# Altium PCB PCB.PcbDoc (part 1 of 3)
Units mm, origin at the board's own origin, x right, y up, seen from the top; angles counter-clockwise.
Board outline 138 x 80 mm, 4 copper layers (Top Layer, Signal Layer 1, Signal Layer 2, Bottom Layer), stack 1.605 mm thick; 288 components, 216 nets, 805 pads, 268 vias.
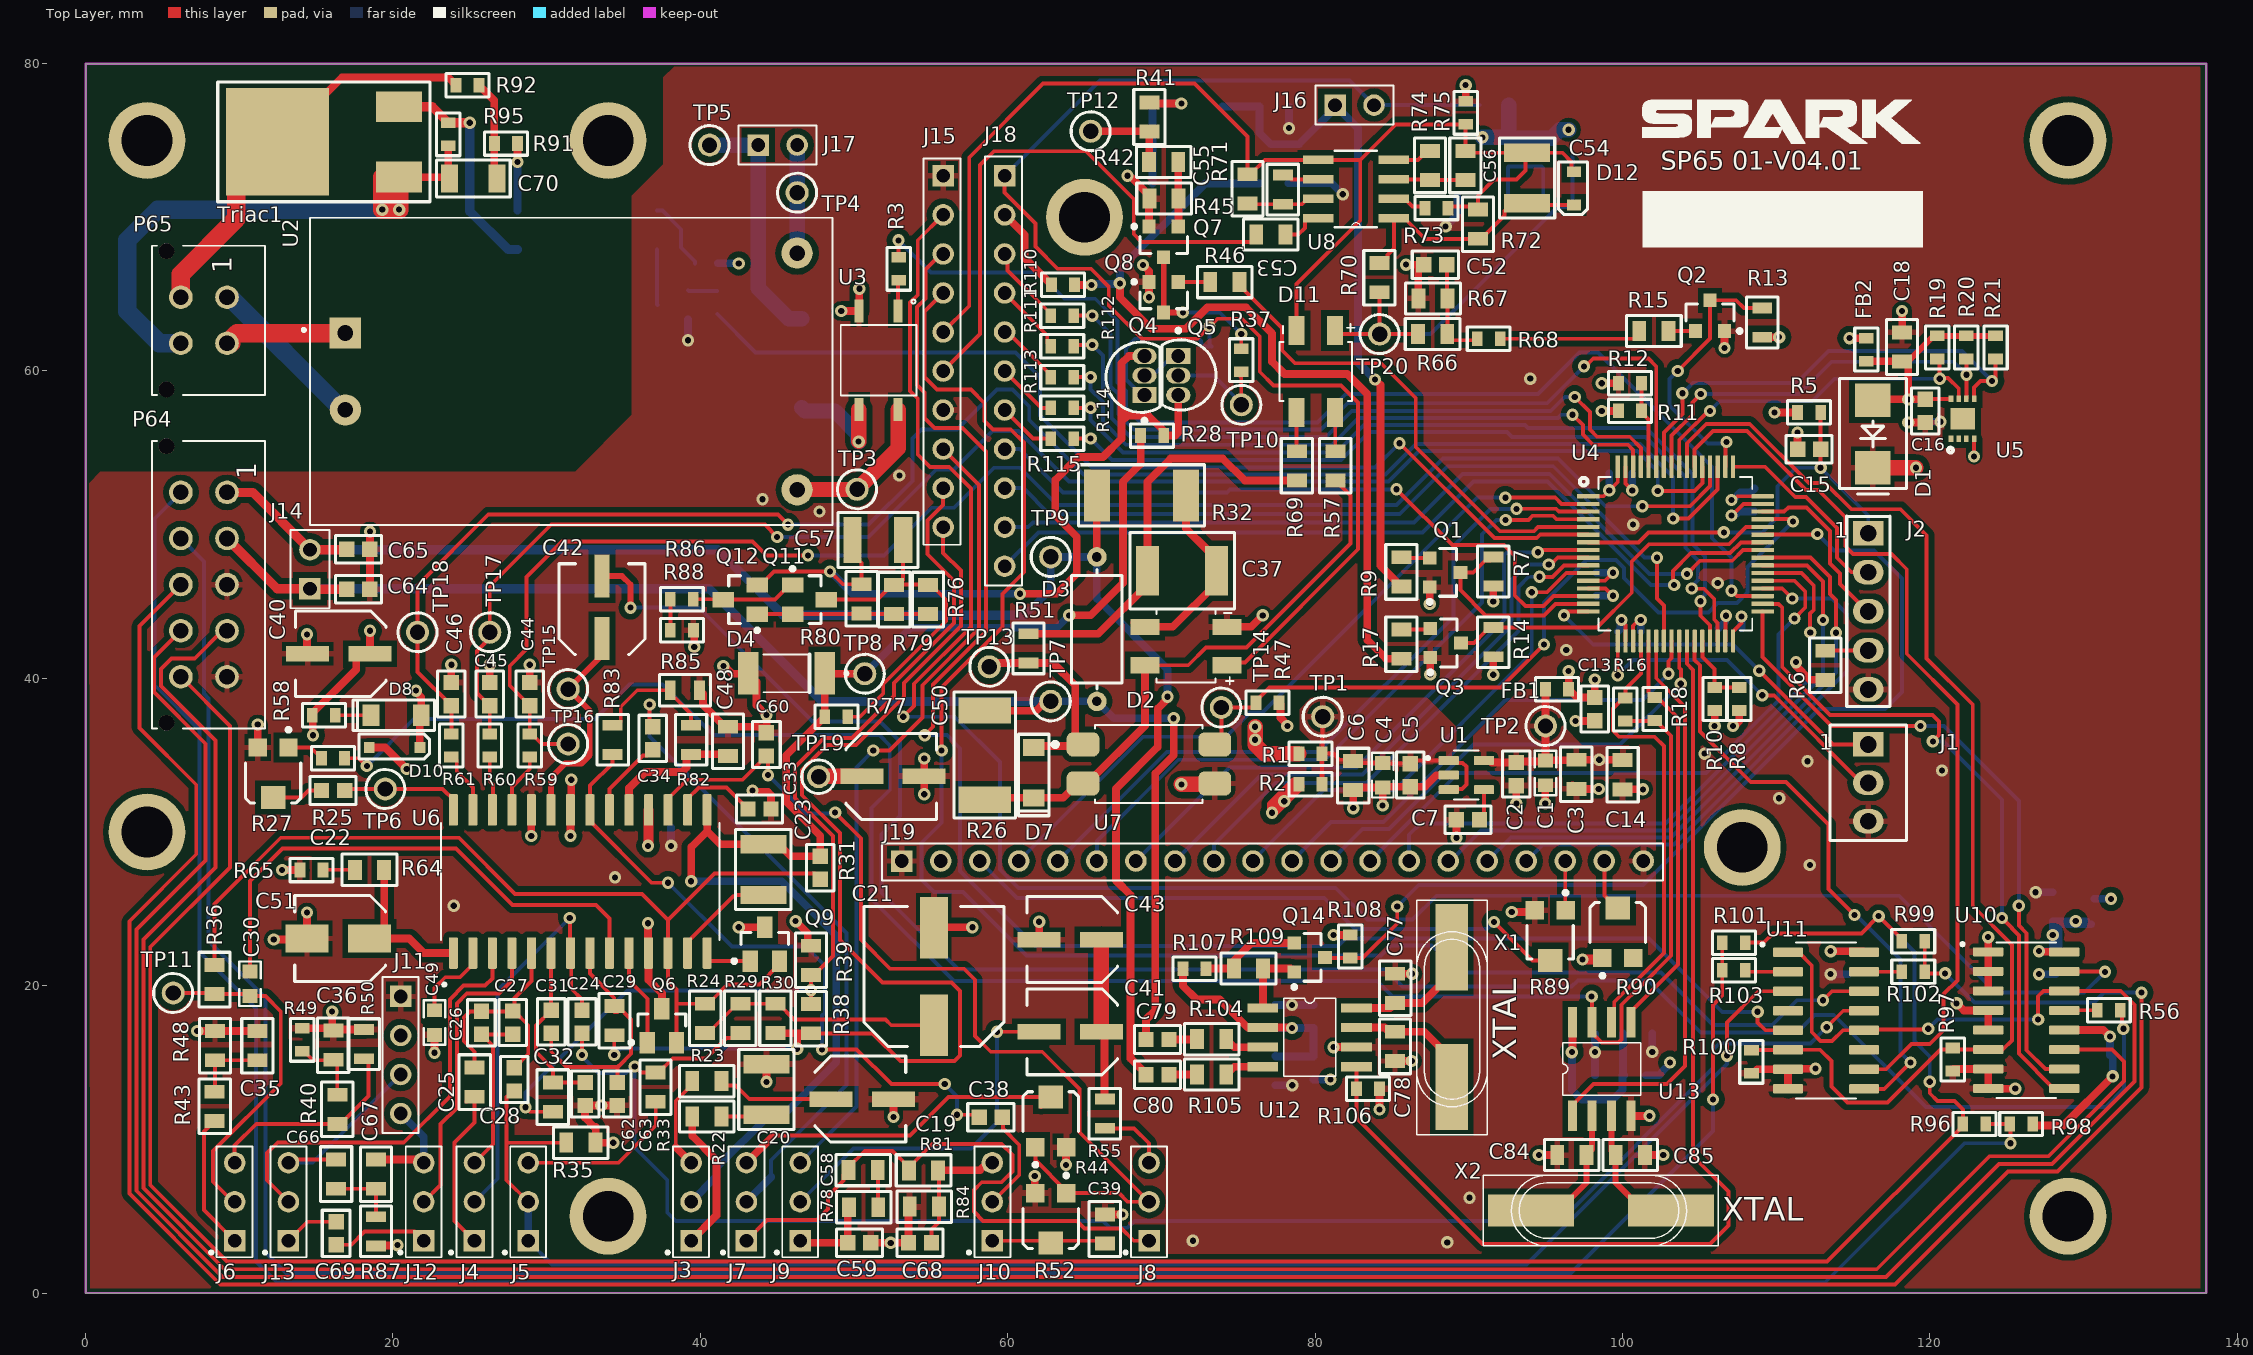
[diagram p0: Top Layer view]
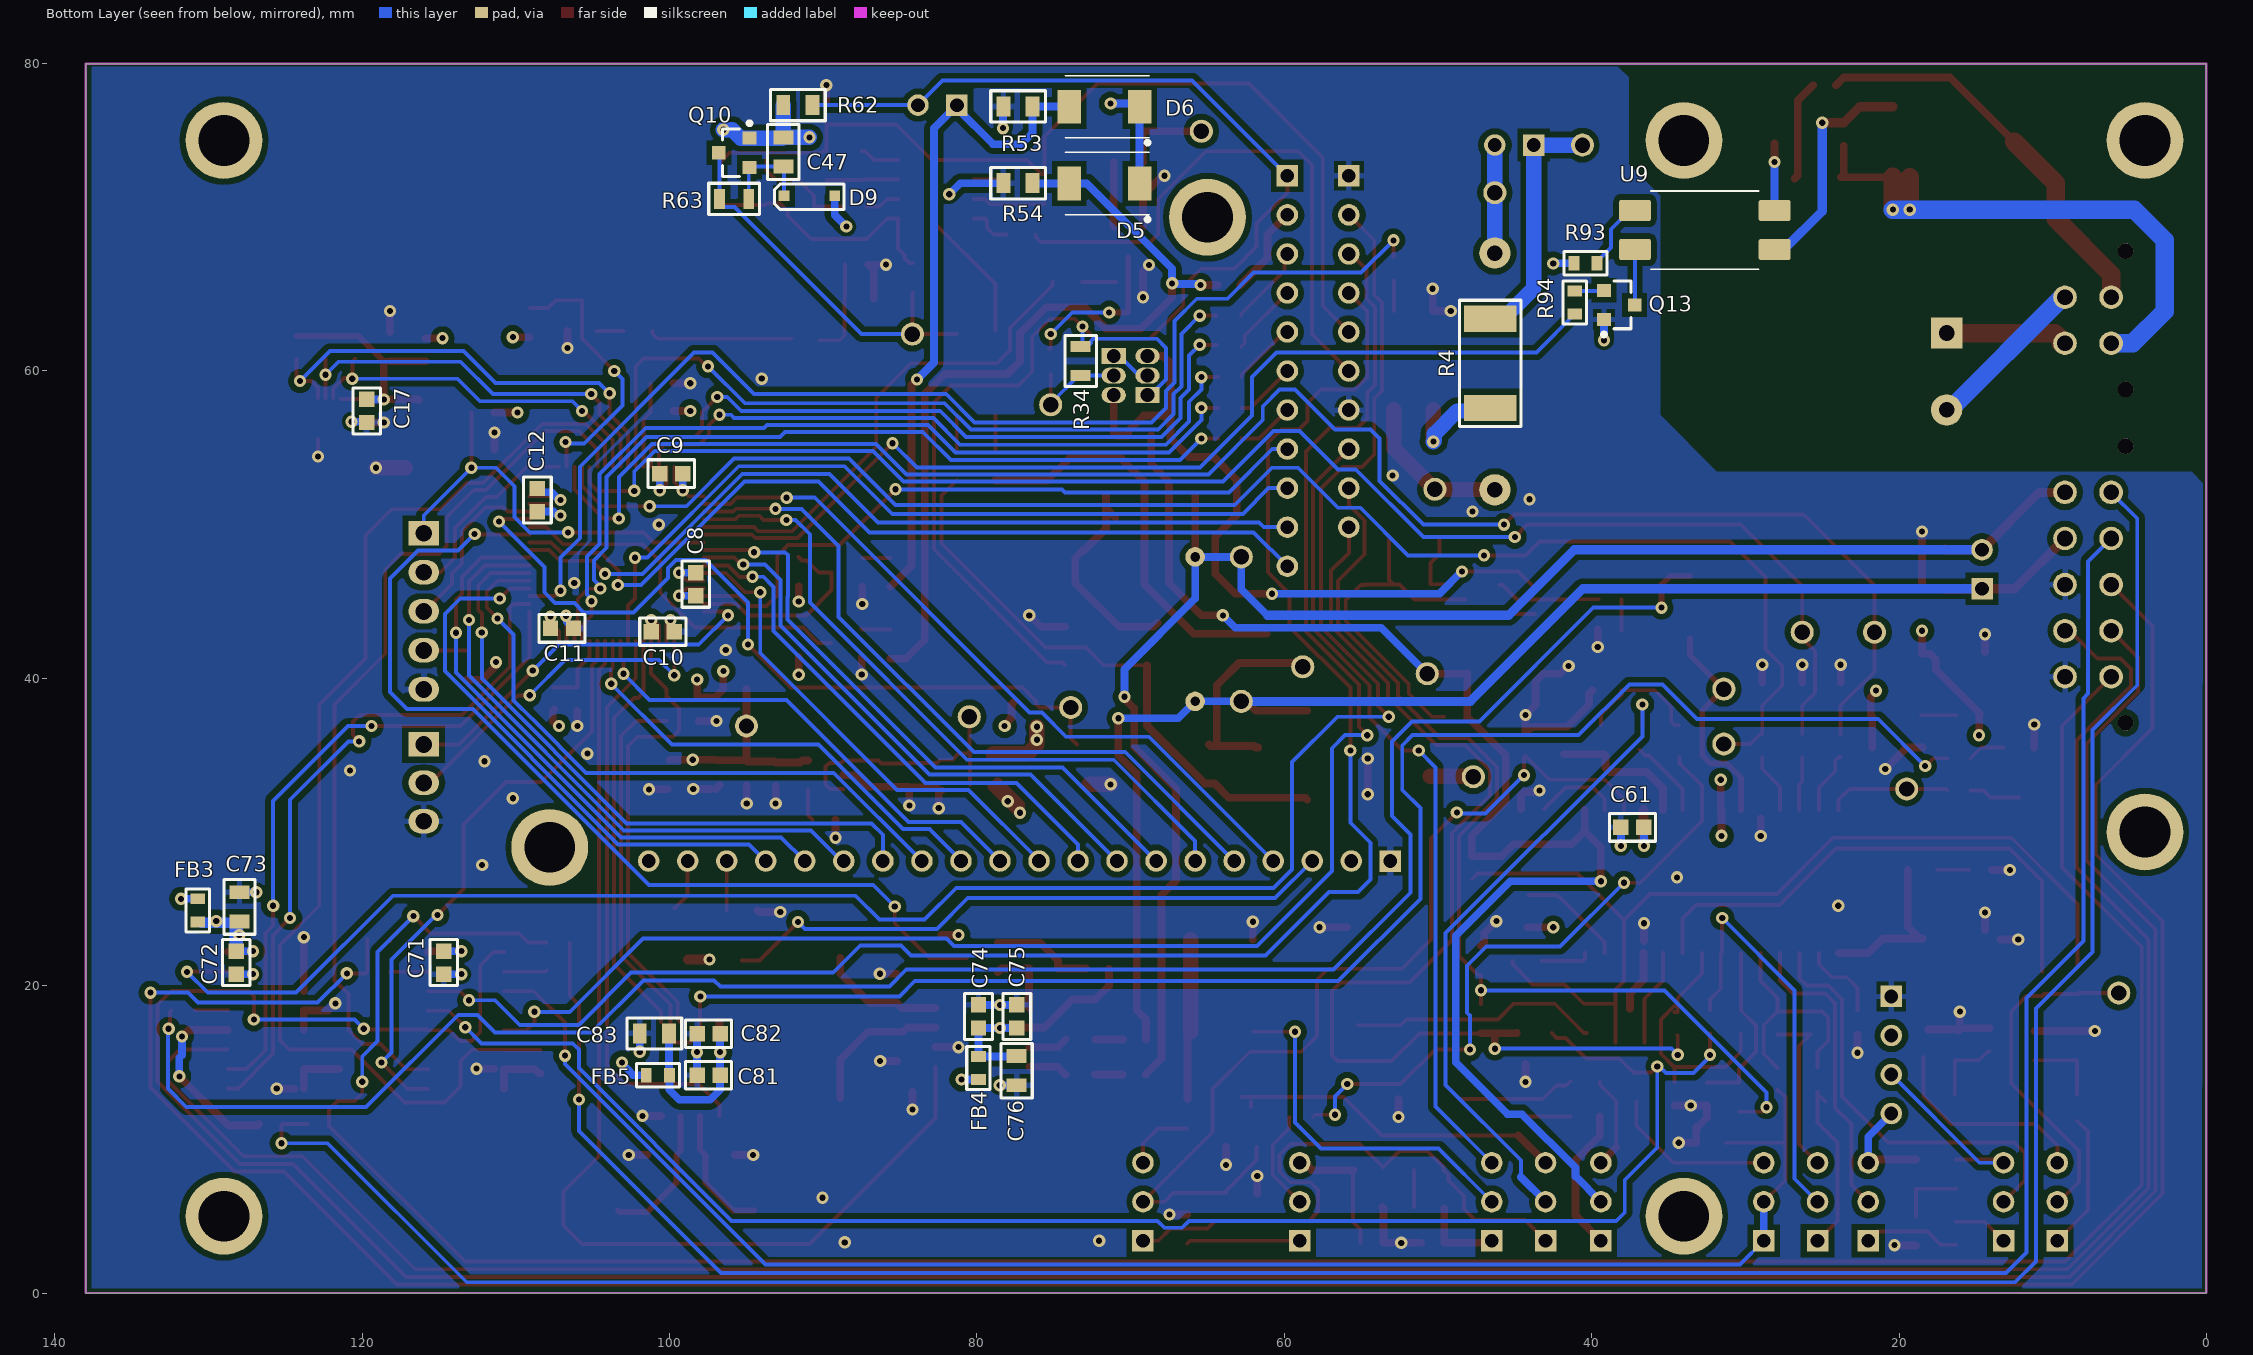
[diagram p1: Bottom Layer view, seen from below]
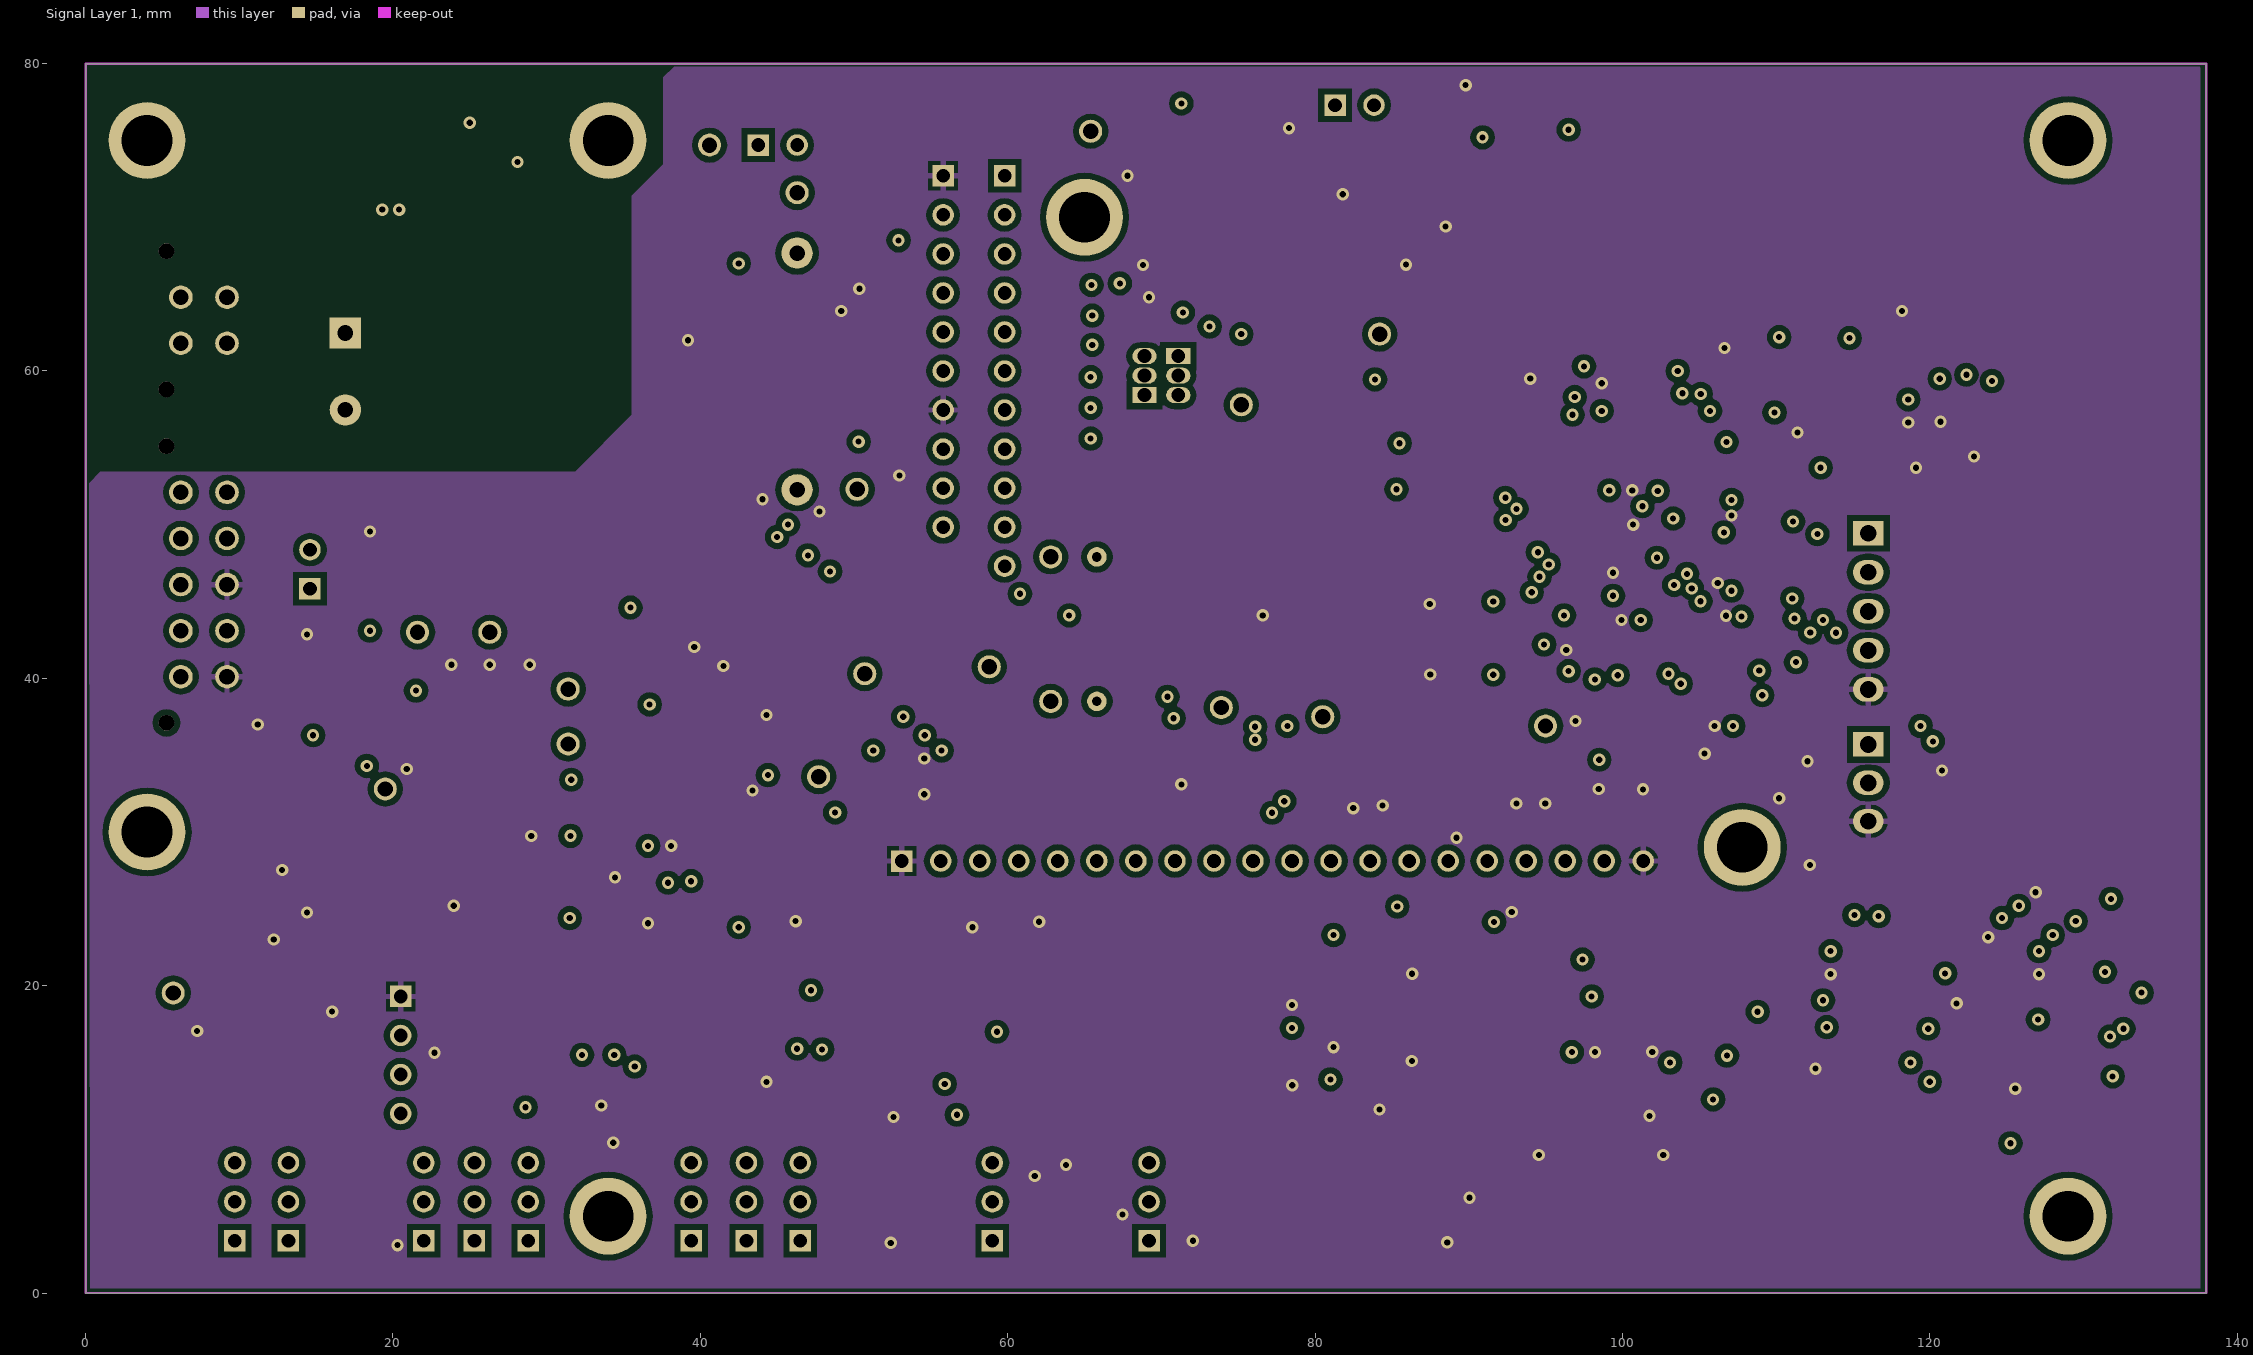
[diagram p2: Signal Layer 1]
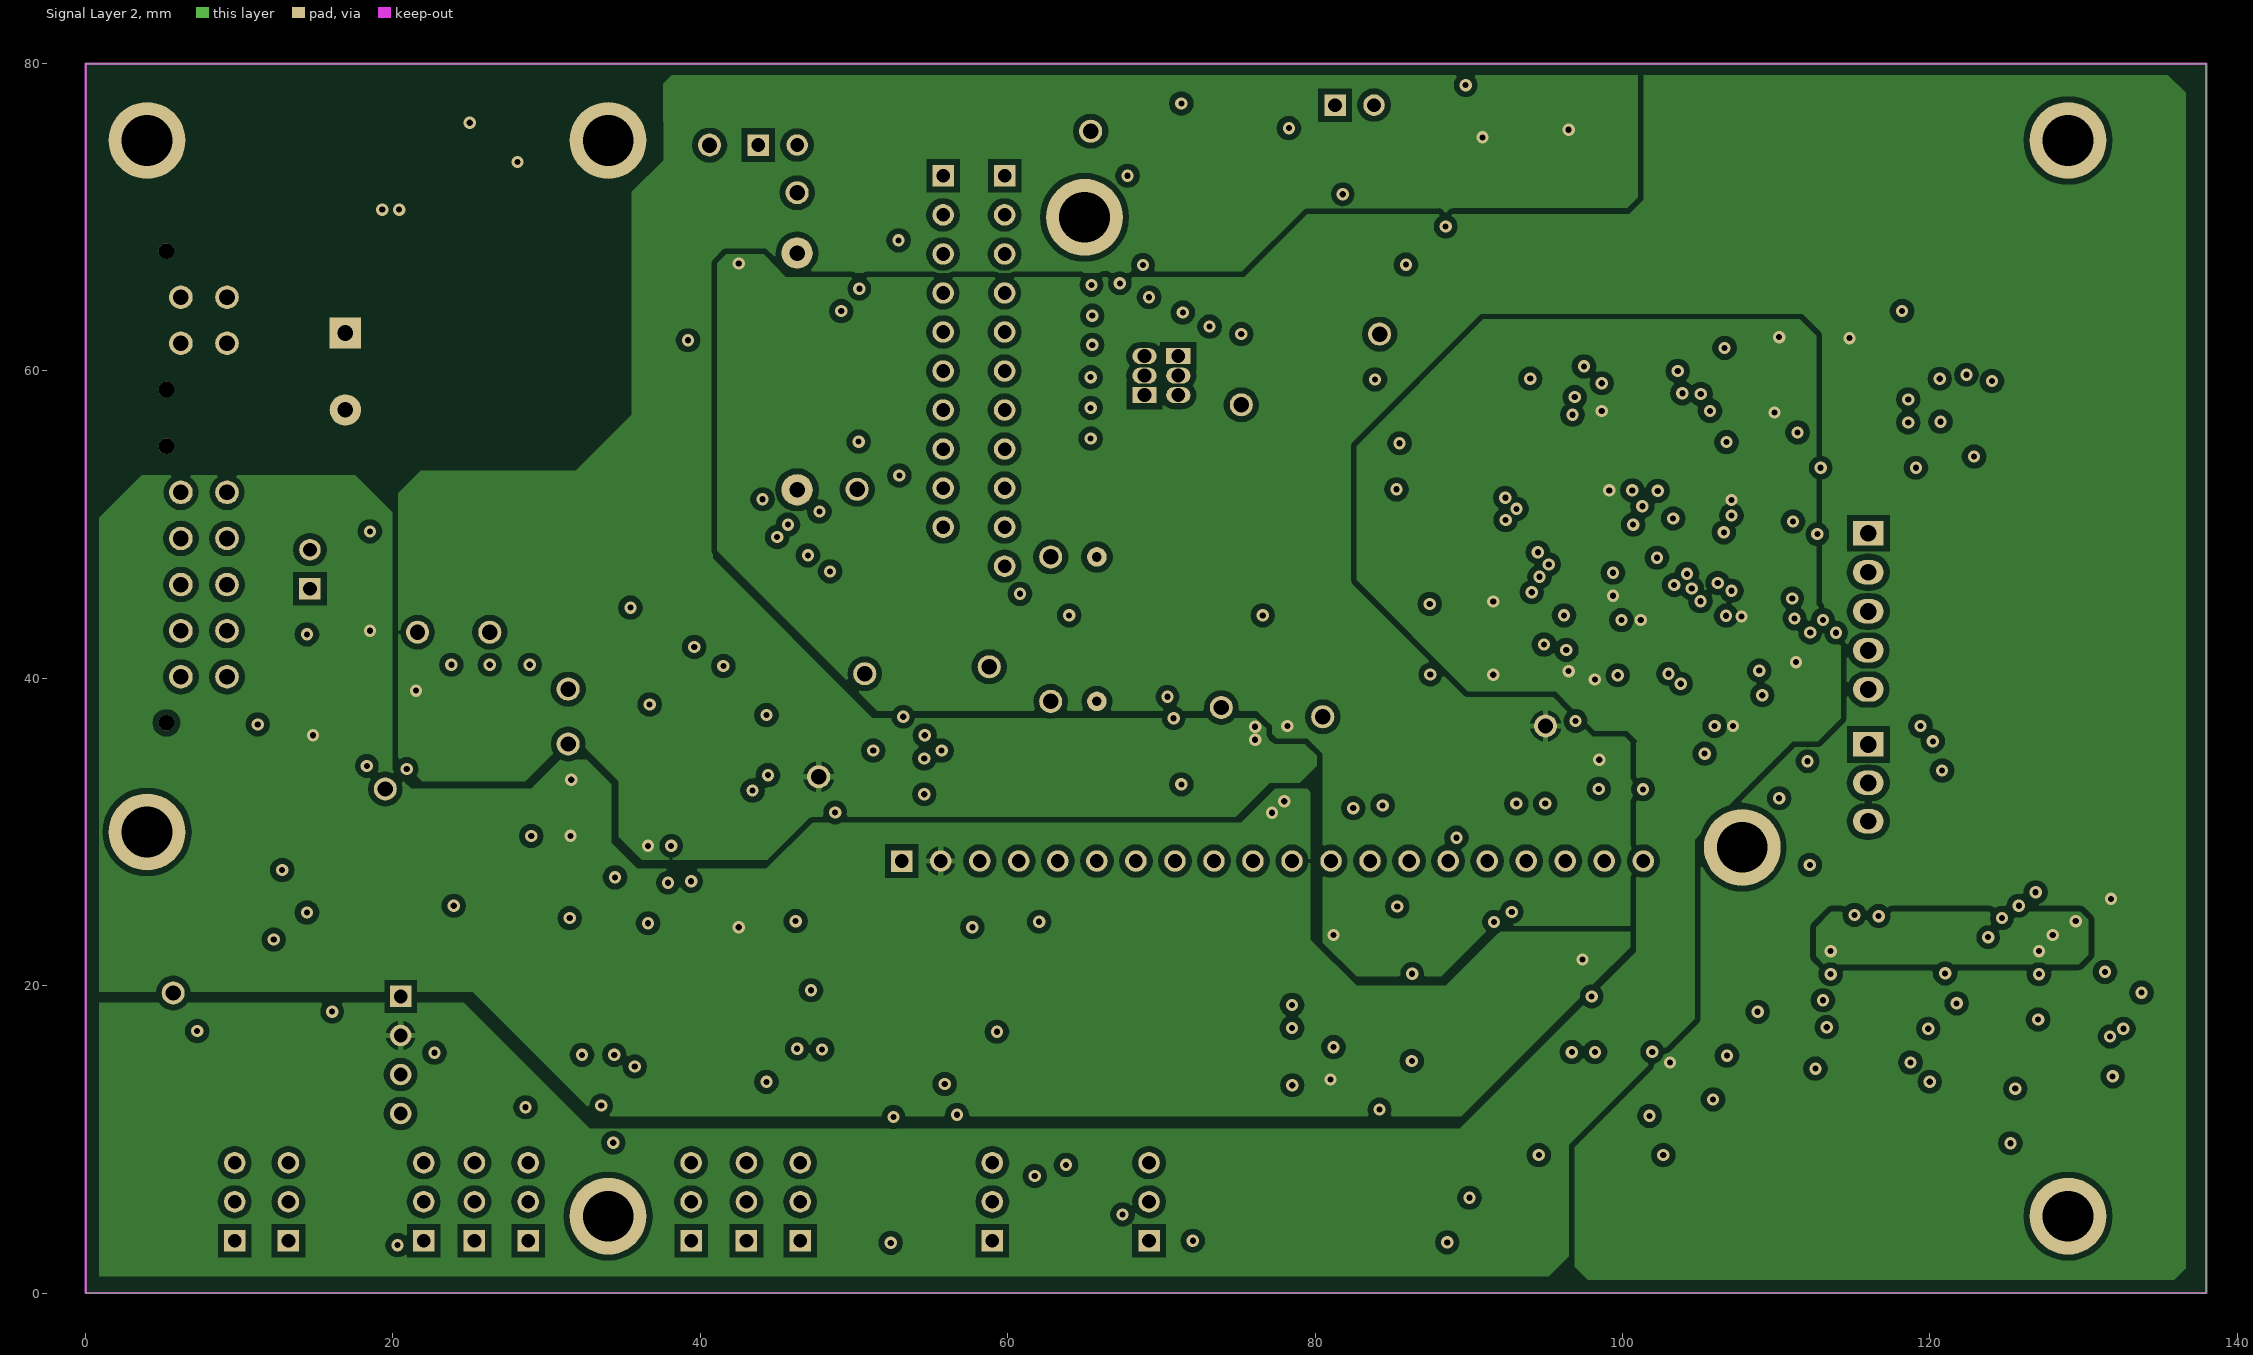
[diagram p3: Signal Layer 2]
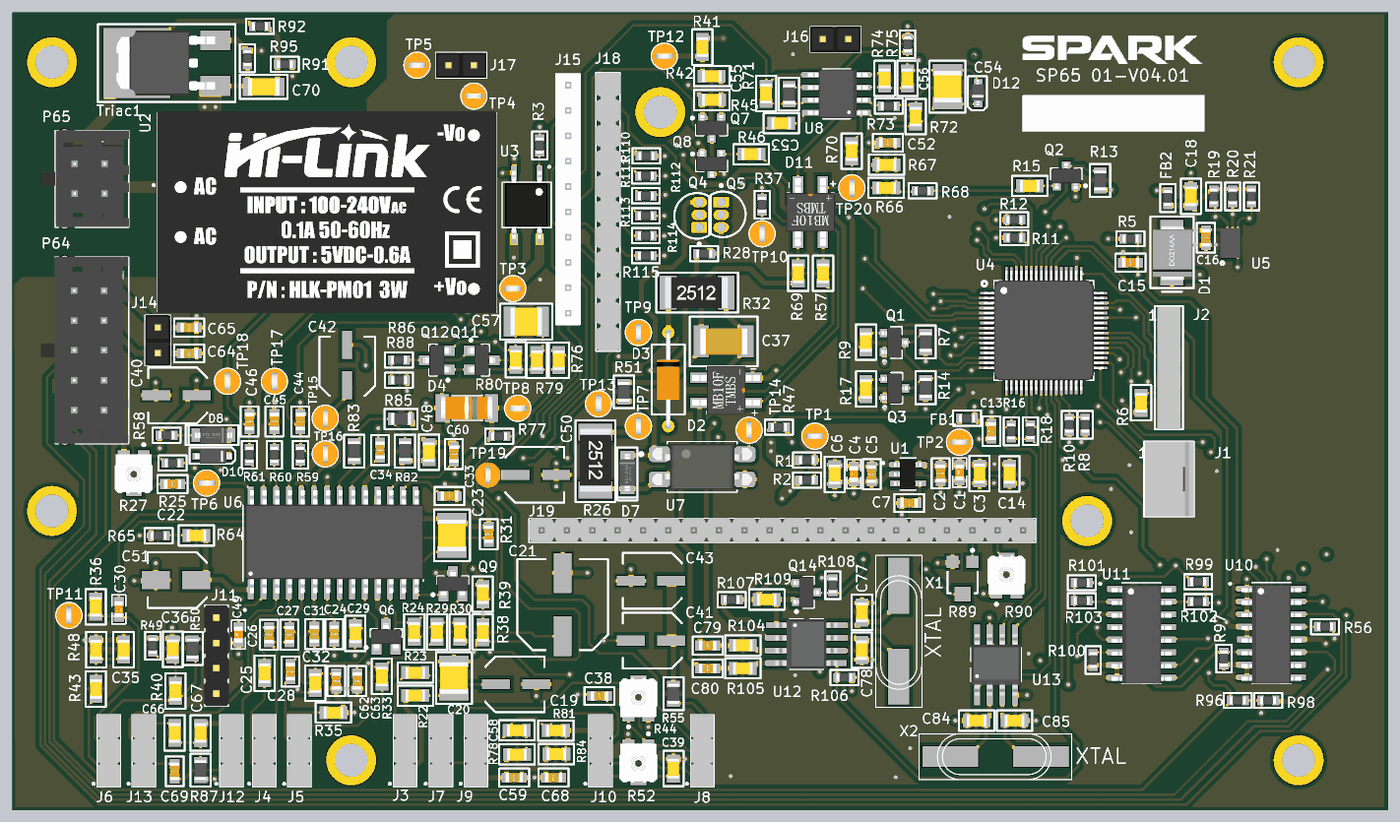
[diagram p6: 3D render of the assembled board from above, using the file's embedded part models]
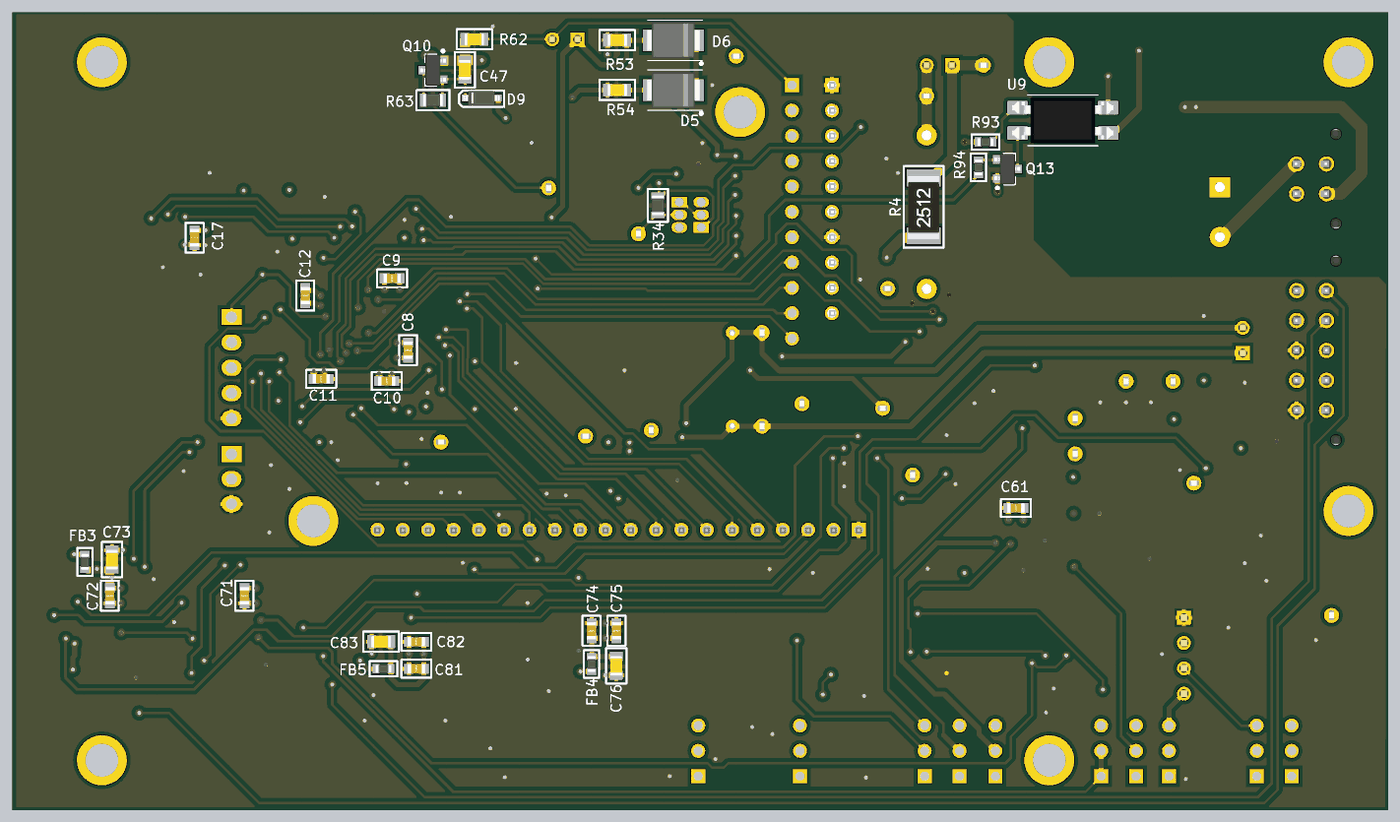
[diagram p7: 3D render of the assembled board from below, using the file's embedded part models]

## Layer stack, top to bottom
Top Solder: solder mask 0.0102, Solder Resist, Dk 3.5
Top Layer: signal copper 0.0356
Dielectric 1: core 0.1524, FR-4, Dk 4.2
Signal Layer 1: signal copper 0.0356
Dielectric 2: prepreg 1.1582, FR-4, Dk 4.2
Signal Layer 2: signal copper 0.0356
Dielectric 3: core 0.1524, FR-4, Dk 4.2
Bottom Layer: signal copper 0.0356
Bottom Solder: solder mask 0.0102, Solder Resist, Dk 3.5

## Board outline
0,0 0,80 138,80 138,0

## Design rules (kind name [scope] priority, off if disabled: settings)
Clearance [All] p1: gap=0.2 ignorepadtopadclearanceinfootprint=FALSE except(0.381: Arc-Poly Track-Poly SMDPad-Poly THPad-Poly Via-Poly Fill-Poly Poly-Poly)
Height Height_Room [WithinRoom('RoomHeight')] p1: minheight=0 maxheight=13.5 prefheight=12.7
Height [All] p2: minheight=0 maxheight=25.4 prefheight=12.7
HoleSize [All] p1: absolutevalues=TRUE maxlimit=3.3 minlimit=0.025 maxpercent=80.000 minpercent=20.000
MinimumSolderMaskSliver [All] p1: minsoldermaskwidth=0.1
PolygonConnect "all pads" [(InPadClass('all pads'))] p1: connectstyle=Relief reliefconductorwidth=0.381 reliefentries=4 polygonreliefangle="90 Angle" airgapwidth=0.254
PolygonConnect [All] p2: connectstyle=Direct reliefconductorwidth=0.254 reliefentries=4 polygonreliefangle="90 Angle" airgapwidth=0.254
RoutingVias [All] p1: holewidth=0.711 width=1.27 viastyle="Through Hole" minholewidth=0.4 minwidth=0.8 maxholewidth=0.711 maxwidth=1.27
SilkToSilkClearance [All] p1: silktosilkclearance=0.1
SilkToSolderMaskClearance [IsPad] p1: minsilkscreentomaskgap=0.1 clearancetoexposedcopper=TRUE
SolderMaskExpansion [All] p1: expansion=0.102 istentingtop=FALSE
Width [All] p1: maxlimit=2 minlimit=0.254 preferedwidth=0.254
25 further rules are at their usual default settings.

## Classes and differential pairs
component class TopLevel: J14 J15 J16 J17 J18 J19 P64 P65 R110 R111 R112 R113 R114 R115
component class MUX: C71 C72 C73 FB3 R96 R97 R98 R99 R100 R101 R102 R103 U10 U11
component class Mechanical: CON1 CON2 CON3 CON4 CON5 CON6 CON7 CON8 CON9 CON10 P1 P2 P3 P4 P5 P7 P8 P11 P12 P13 P14 P15 P16 P17 P18 P19 P20 P21 P22 P23 P24 P25 P26 P27 P29 P30 P31 P32 P33 P34 P35 P36 P37 P38 P39 P40 P41 P43 P44 P45 P46 P47 P48 P49 P50 P51 P52 P53 P54 P55 P56 P57 P58
component class MCU: C8 C9 C10 C11 C12 C13 C14 C15 FB1 J1 J2 Q1 Q2 Q3 R5 R6 R7 R8 R9 R10 R11 R12 R13 R14 R15 R16 R17 R18 U4
component class EEPROM: C16 C17 C18 D1 FB2 R19 R20 R21 U5
component class DTMF: C81 C82 C83 C84 C85 FB5 U13 X2
component class "Dry Contact": C70 Q13 R91 R92 R93 R94 R95 Triac1 U9
component class "Caller ID": C74 C75 C76 C77 C78 C79 C80 FB4 Q14 R104 R105 R106 R107 R108 R109 U12 X1
component class U_telephone.: C19 C20 C21 C22 C23 C24 C25 C26 C27 C28 C29 C30 C31 C32 C33 C34 C35 C36 C37 C38 C39 C40 C41 C42 C43 C44 C45 C46 C47 C48 C49 C50 C51 C52 C53 C54 C55 C56 C57 C58 C59 C60 C61 C62 C63 C64 C65 C66 C67 C68 C69 D2 D3 D4 D5 D6 D7 D8 D9 D10 D11 D12 J3 J4 J5 J6 J7 J8 J9 J10 J11 J12 J13 Q4 Q5 Q6 Q7 Q8 Q9 Q10 Q11 Q12 R22 R23 R24 R25 R26 R27 R28 R29 R30 R31 R32 R33 R34 R35 R36 R37 R38 R39 R40 R41 R42 R43 R44 R45 R46 R47 R48 R49 R50 R51 R52 R53 R54 R55 R56 R57 R58 R59 R60 R61 R62 R63 R64 R65 R66 R67 R68 R69 R70 R71 R72 R73 R74 R75 R76 R77 R78 R79 R80 R81 R82 R83 R84 R85 R86 R87 R88 TP6 TP7 TP8 TP9 TP10 TP11 TP12 TP13 TP14 TP15 TP16 TP17 TP18 TP19 TP20 U6 U7 U8
component class U_POWER: C1 C2 C3 C4 C5 C6 C7 R1 R2 R3 R4 TP1 TP2 TP3 TP4 TP5 U1 U2 U3
component class U_PERIPHERAL: R89 R90
